# KiCad board SparkFun_Thing_Plus_ESP32-S3_panelized.kicad_pcb (continued)
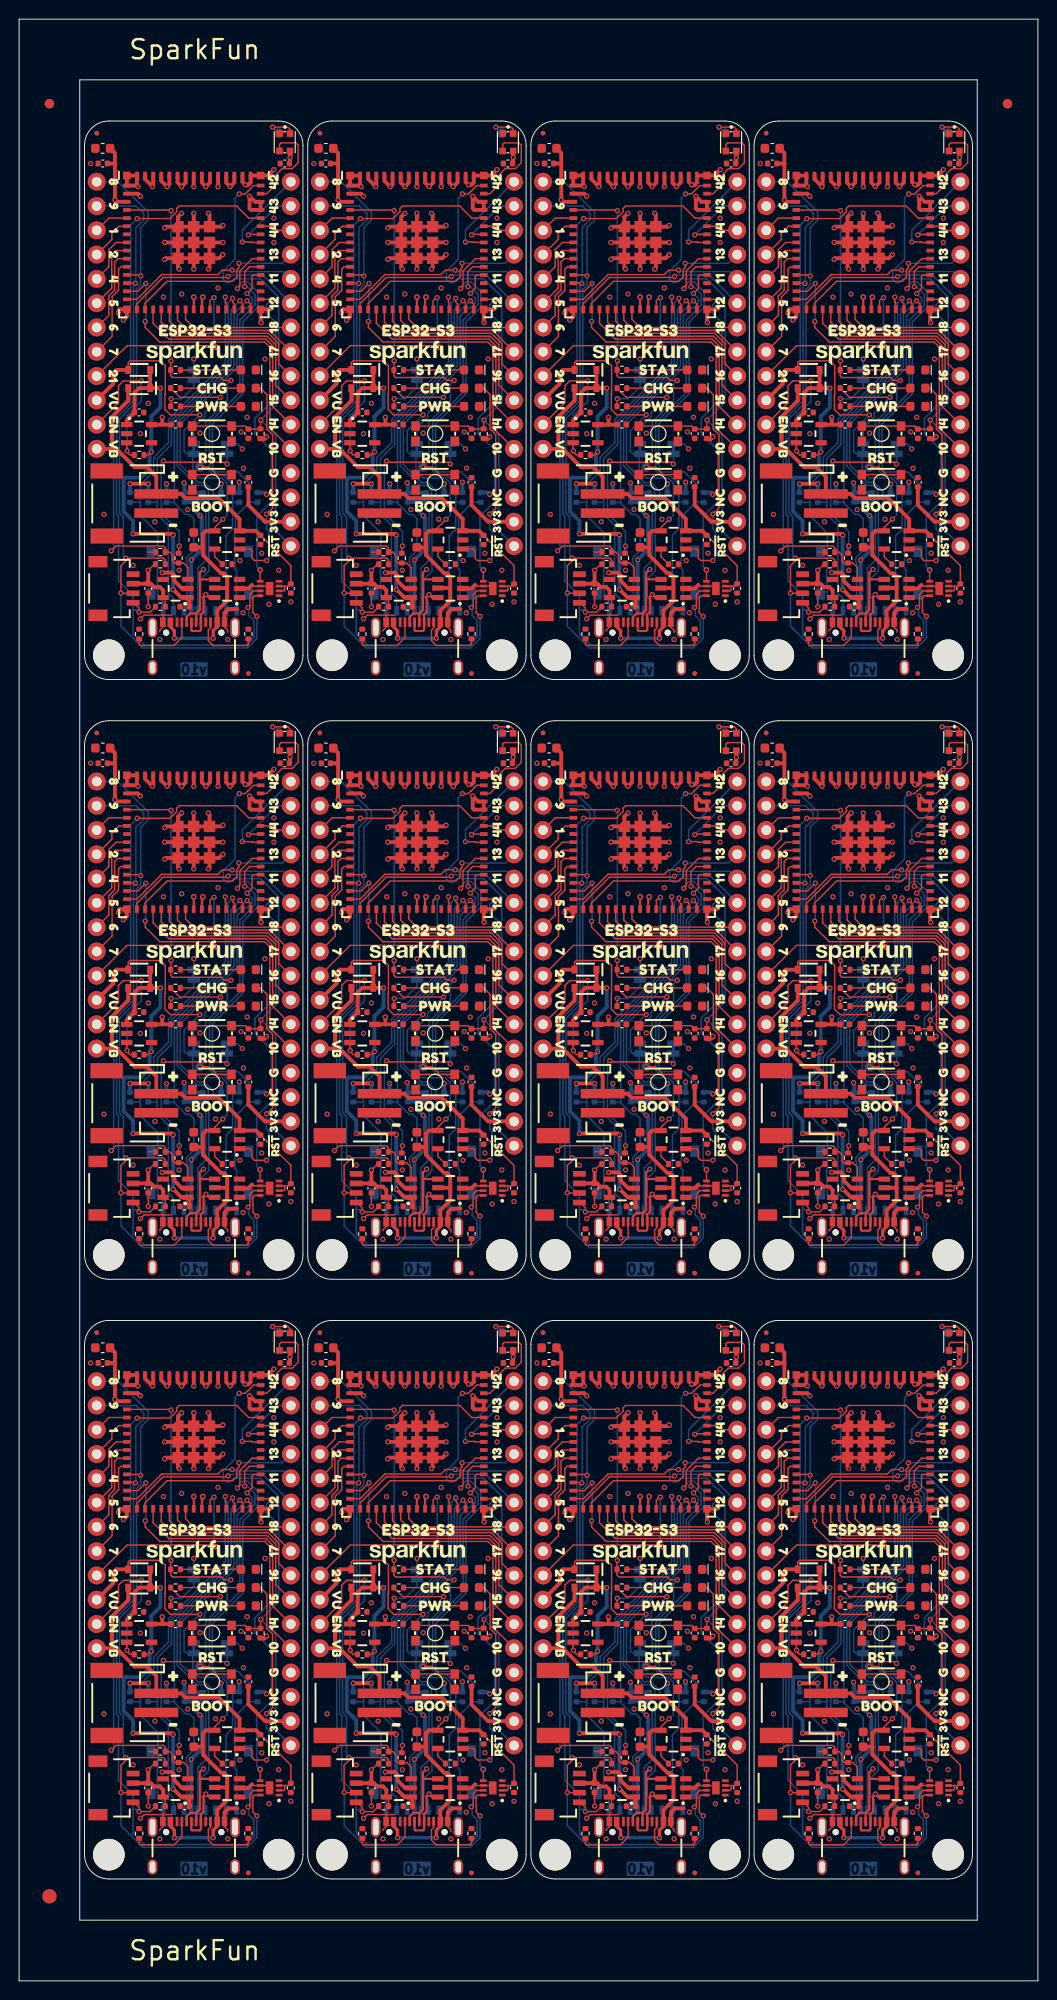
[diagram p0: board, top side]
## Routing (per net, layer and track width the routed paths; a pad name or vN(x,y) marks a point on that pad's centre or on a via; arc(x,y) is an arc through that point) (continued)
VBATT: length 462.3
  Top w0.152: 97.88,83.17 97.88,82.76 97.79,82.67 U4#2.2 ; 97.88,83.17 98.29,83.17 C2#7.1 98.52,85.3 C12#5.1 ; 97.88,83.17 U4#2.3 ; U4#12.3 27.81,20.44 ; 27.81,20.44 28.21,20.44 C2#12.1 28.44,22.57 C12#12.1 ; 27.81,20.44 27.81,20.03 27.71,19.94 U4#12.2 ; U4#6.2 74.43,145.4 74.53,145.49 74.53,145.9 ; U4#9.2 74.43,19.94 74.53,20.03 74.53,20.44 ; 74.53,83.17 74.93,83.17 C2#5.1 75.16,85.3 C12.1 ; 74.53,83.17 74.53,82.76 74.43,82.67 U4#5.2 ; 74.53,83.17 U4#5.3 ; 51.16,20.44 51.16,20.03 51.07,19.94 U4#8.2 ; 51.16,20.44 U4#8.3 ; 51.16,20.44 51.57,20.44 C2#4.1 51.8,22.57 C12#8.1 ; C12#7.1 28.44,85.3 C2#3.1 28.21,83.17 27.81,83.17 ; 27.81,83.17 27.81,82.76 27.71,82.67 U4#3.2 ; 27.81,83.17 U4#3.3 ; 51.16,145.9 51.57,145.9 C2#9.1 51.8,148.03 C12#2.1 ; 51.16,145.9 U4#10.3 ; 51.16,145.9 51.16,145.49 51.07,145.4 U4#10.2 ; 51.16,83.17 51.57,83.17 C2#2.1 51.8,85.3 C12#3.1 ; 51.16,83.17 51.16,82.76 51.07,82.67 U4#4.2 ; 51.16,83.17 U4#4.3 ; 74.53,20.44 74.93,20.44 C2#8.1 75.16,22.57 C12#9.1 ; 74.53,20.44 U4#9.3 ; U4#7.2 97.79,19.94 97.88,20.03 97.88,20.44 ; 74.53,145.9 74.93,145.9 C2#6.1 75.16,148.03 C12#4.1 ; 74.53,145.9 U4#6.3 ; 27.81,145.9 27.81,145.49 27.71,145.4 U4#11.2 ; 27.81,145.9 U4#11.3 ; 27.81,145.9 28.21,145.9 C2#10.1 28.44,148.03 C12#6.1 ; C12#11.1 98.52,148.03 C2.1 98.29,145.9 97.88,145.9 ; U4.2 97.79,145.4 97.88,145.49 97.88,145.9 ; 97.88,145.9 U4.3 ; C12#10.1 98.52,22.57 C2#11.1 98.29,20.44 97.88,20.44 ; 97.88,20.44 U4#7.3
  Top w0.406: 33.07,34.79 33.54,34.79 35.45,32.88 36.72,32.88 37.72,31.88 J3#4.2 40.32,30.07 40.76,29.64 44.25,29.64 46.43,27.46 U5#7.3 48.16,26.22 C12#8.1 ; 33.07,34.79 33.07,38.12 33.51,38.57 33.51,38.57 34.74,39.79 34.78,39.79 D3#3.A ; 33.07,34.79 U10#3.12 ; C12#6.1 24.8,151.68 23.07,151.68 23.07,152.92 20.89,155.1 17.4,155.1 16.96,155.53 J3#3.2 14.36,157.34 13.36,158.34 12.09,158.34 10.18,160.25 9.71,160.25 ; 9.71,160.25 U10#4.12 ; 9.71,160.25 9.71,163.58 10.15,164.03 10.15,164.03 11.38,165.25 11.42,165.25 D3.A ; 79.79,97.52 80.26,97.52 82.17,95.62 83.44,95.62 84.44,94.61 J3#10.2 87.04,92.81 87.48,92.37 90.97,92.37 93.15,90.19 U5#6.3 94.88,88.95 C12#5.1 ; 79.79,97.52 79.79,100.85 80.23,101.3 80.23,101.3 81.46,102.52 81.5,102.52 D3#11.A ; 79.79,97.52 U10#11.12 ; D3#8.A 58.13,39.79 58.1,39.79 56.87,38.57 56.87,38.57 56.43,38.12 56.43,34.79 ; 33.07,160.25 33.54,160.25 35.45,158.34 36.72,158.34 37.72,157.34 J3#9.2 40.32,155.53 40.76,155.1 44.25,155.1 46.43,152.92 46.43,151.68 48.16,151.68 C12#2.1 ; 33.07,160.25 33.07,163.58 33.51,164.03 33.51,164.03 34.74,165.25 34.78,165.25 D3#7.A ; 33.07,160.25 U10#6.12 ; 33.07,97.52 33.54,97.52 35.45,95.62 36.72,95.62 37.72,94.61 J3#2.2 40.32,92.81 40.76,92.37 44.25,92.37 46.43,90.19 U5#9.3 48.16,88.95 C12#3.1 ; 33.07,97.52 U10#5.12 ; 33.07,97.52 33.07,100.85 33.51,101.3 33.51,101.3 34.74,102.52 34.78,102.52 D3#10.A ; 79.79,34.79 79.79,38.12 80.23,38.57 80.23,38.57 81.46,39.79 81.5,39.79 D3#2.A ; 79.79,34.79 80.26,34.79 82.17,32.88 83.44,32.88 84.44,31.88 J3#6.2 87.04,30.07 87.48,29.64 90.97,29.64 93.15,27.46 U5#3.3 94.88,26.22 C12#10.1 ; 79.79,34.79 U10#10.12 ; C12#11.1 94.88,151.68 93.15,151.68 93.15,152.92 90.97,155.1 87.48,155.1 87.04,155.53 J3#8.2 84.44,157.34 83.44,158.34 82.17,158.34 80.26,160.25 79.79,160.25 ; U10.12 9.71,97.52 ; 9.71,97.52 9.71,100.85 10.15,101.3 10.15,101.3 11.38,102.52 11.42,102.52 D3#6.A ; 9.71,97.52 10.18,97.52 12.09,95.62 13.36,95.62 14.36,94.61 J3.2 16.96,92.81 17.4,92.37 20.89,92.37 23.07,90.19 U5#8.3 24.8,88.95 C12#7.1 ; 56.43,160.25 56.9,160.25 58.81,158.34 60.08,158.34 61.08,157.34 J3#7.2 63.68,155.53 64.12,155.1 67.61,155.1 69.79,152.92 69.79,151.68 71.51,151.68 C12#4.1 ; 56.43,160.25 56.43,163.58 56.87,164.03 56.87,164.03 58.1,165.25 58.13,165.25 D3#4.A ; 56.43,160.25 U10#2.12 ; 9.71,34.79 9.71,38.12 10.15,38.57 10.15,38.57 11.38,39.79 11.42,39.79 D3#12.A ; 9.71,34.79 U10#12.12 ; 9.71,34.79 10.18,34.79 12.09,32.88 13.36,32.88 14.36,31.88 J3#12.2 16.96,30.07 17.4,29.64 20.89,29.64 23.07,27.46 U5#12.3 24.8,26.22 C12#12.1 ; C12.1 71.51,88.95 U5#10.3 69.79,90.19 67.61,92.37 64.12,92.37 63.68,92.81 J3#11.2 61.08,94.61 60.08,95.62 58.81,95.62 56.9,97.52 56.43,97.52 ; 79.79,160.25 79.79,163.58 80.23,164.03 80.23,164.03 81.46,165.25 81.5,165.25 D3#5.A ; 79.79,160.25 U10#9.12 ; D3#9.A 58.13,102.52 58.1,102.52 56.87,101.3 56.87,101.3 56.43,100.85 56.43,97.52 ; U10#8.12 56.43,97.52 ; 56.43,34.79 56.9,34.79 58.81,32.88 60.08,32.88 61.08,31.88 J3#5.2 63.68,30.07 64.12,29.64 67.61,29.64 69.79,27.46 U5#4.3 71.51,26.22 C12#9.1 ; 56.43,34.79 U10#7.12
VIN: length 485.2
  Top w0.152: R13#11.1 60.24,96.89 v1(60.56,97.2) ; R13#10.1 60.24,159.62 v1(60.56,159.93) ; v1(60.56,34.47) 60.24,34.16 R13#2.1 ; v1(83.91,34.47) 83.6,34.16 R13#8.1 ; v1(13.83,34.47) 13.52,34.16 R13#12.1 ; v1(83.91,159.93) 83.6,159.62 R13#7.1 ; R13.1 36.88,96.89 v1(37.19,97.2) ; R13#9.1 83.6,96.89 v1(83.91,97.2) ; R13#4.1 36.88,34.16 v1(37.19,34.47) ; v1(13.83,159.93) 13.52,159.62 R13#5.1 ; R13#6.1 36.88,159.62 v1(37.19,159.93) ; R13#3.1 13.52,96.89 v1(13.83,97.2)
  Top w0.406: 37.07,166.6 35.93,166.6 35.44,166.12 C10.1 34.62,163.24 U6#10.1 ; 37.07,166.6 37.07,168.5 ; 37.07,166.6 v1(38.15,166.6) ; v1(84.87,103.87) 83.79,103.87 ; 83.79,103.87 82.65,103.87 82.16,103.39 C10#2.1 81.34,100.51 U6#9.1 ; 83.79,103.87 83.79,105.78 ; v1(11.93,151.36) 16,151.36 v1(16.12,151.23) ; 83.79,43.05 83.79,41.14 ; 83.79,41.14 82.65,41.14 82.16,40.66 C10#7.1 81.34,37.78 U6#8.1 ; 83.79,41.14 v1(84.87,41.14) ; v1(62.84,20.06) 62.88,20.06 63.7,19.24 U1#6.1 64.53,19.1 C14#8.1 ; v1(35.29,25.9) 39.36,25.9 v1(39.48,25.77) ; v1(62.84,145.52) 62.88,145.52 63.7,144.69 U1#4.1 64.53,144.56 C14#11.1 ; v1(61.51,166.6) D3#4.C ; D3#4.C D2#9.C ; D3#4.C 59.28,166.6 58.81,166.12 C10#10.1 57.98,163.24 U6#7.1 ; D3.C 12.56,166.6 12.08,166.12 C10#3.1 11.26,163.24 U6#2.1 ; D3.C D2#2.C ; D3.C v1(14.79,166.6) ; U6#5.1 57.98,37.78 C10#6.1 58.81,40.66 59.28,41.14 D3#8.C ; C14#6.1 41.17,19.1 U1#2.1 40.34,19.24 39.52,20.06 v1(39.48,20.06) ; C14#7.1 41.17,144.56 U1#7.1 40.34,144.69 39.52,145.52 v1(39.48,145.52) ; 37.07,103.87 35.93,103.87 35.44,103.39 C10#5.1 34.62,100.51 U6#4.1 ; 37.07,103.87 v1(38.15,103.87) ; 37.07,103.87 37.07,105.78 ; v1(16.12,88.5) 16,88.63 v1(11.93,88.63) ; C14#4.1 64.53,81.83 U1#9.1 63.7,81.97 62.88,82.79 v1(62.84,82.79) ; v1(11.93,25.9) 16,25.9 v1(16.12,25.77) ; U6#6.1 57.98,100.51 C10#9.1 58.81,103.39 59.28,103.87 D3#9.C ; v1(86.2,88.5) 86.08,88.63 v1(82.01,88.63) ; D3#6.C 12.56,103.87 12.08,103.39 C10#8.1 11.26,100.51 U6.1 ; D3#6.C D2#11.C ; D3#6.C v1(14.79,103.87) ; 83.79,168.5 83.79,166.6 ; 83.79,166.6 82.65,166.6 82.16,166.12 C10#11.1 81.34,163.24 U6#11.1 ; 83.79,166.6 v1(84.87,166.6) ; v1(14.79,41.14) D3#12.C ; D3#12.C D2#12.C ; D3#12.C 12.56,41.14 12.08,40.66 C10#12.1 11.26,37.78 U6#12.1 ; v1(39.48,82.79) 39.52,82.79 40.34,81.97 U1#10.1 41.17,81.83 C14#10.1 ; v1(58.65,151.36) 62.72,151.36 v1(62.84,151.23) ; v1(16.12,82.79) 16.16,82.79 16.98,81.97 U1#3.1 17.81,81.83 C14.1 ; v1(86.2,82.79) 86.24,82.79 87.06,81.97 U1#11.1 87.89,81.83 C14#9.1 ; v1(39.48,151.23) 39.36,151.36 v1(35.29,151.36) ; v1(58.65,25.9) 62.72,25.9 v1(62.84,25.77) ; C14#12.1 17.81,19.1 U1#12.1 16.98,19.24 16.16,20.06 v1(16.12,20.06) ; v1(35.29,88.63) 39.36,88.63 v1(39.48,88.5) ; U6#3.1 34.62,37.78 C10#4.1 35.44,40.66 35.93,41.14 37.07,41.14 ; v1(86.2,25.77) 86.08,25.9 v1(82.01,25.9) ; 37.07,43.05 37.07,41.14 ; 37.07,41.14 v1(38.15,41.14) ; v1(86.2,20.06) 86.24,20.06 87.06,19.24 U1#8.1 87.89,19.1 C14#3.1 ; C14#2.1 17.81,144.56 U1.1 16.98,144.69 16.16,145.52 v1(16.12,145.52) ; v1(61.51,41.14) D3#8.C ; D3#8.C D2#3.C ; v1(86.2,145.52) 86.24,145.52 87.06,144.69 U1#5.1 87.89,144.56 C14#5.1 ; D3#9.C D2.C ; D3#9.C v1(61.51,103.87) ; v1(58.65,88.63) 62.72,88.63 v1(62.84,88.5) ; v1(82.01,151.36) 86.08,151.36 v1(86.2,151.23)
  Bottom w0.406: v1(62.84,151.23) v1(62.84,145.52) ; v1(14.79,41.14) 14.79,39.13 13.83,38.18 v1(13.83,34.47) 13.66,34.29 13.66,32.71 12.72,31.77 11.1,31.77 10.94,31.62 10.94,28.24 11.93,27.25 v1(11.93,25.9) ; v1(61.51,166.6) 61.51,164.59 60.56,163.64 v1(60.56,159.93) 60.38,159.75 60.38,158.17 59.44,157.23 57.82,157.23 57.66,157.07 57.66,153.7 58.65,152.71 v1(58.65,151.36) ; v1(61.51,41.14) 61.51,39.13 60.56,38.18 v1(60.56,34.47) 60.38,34.29 60.38,32.71 59.44,31.77 57.82,31.77 57.66,31.62 57.66,28.24 58.65,27.25 v1(58.65,25.9) ; v1(38.15,41.14) 38.15,39.13 37.19,38.18 v1(37.19,34.47) 37.02,34.29 37.02,32.71 36.08,31.77 34.46,31.77 34.3,31.62 34.3,28.24 35.29,27.25 v1(35.29,25.9) ; v1(35.29,88.63) 35.29,89.98 34.3,90.97 34.3,94.34 34.46,94.5 36.08,94.5 37.02,95.44 37.02,97.02 v1(37.19,97.2) 37.19,100.91 38.15,101.86 v1(38.15,103.87) ; v1(39.48,151.23) v1(39.48,145.52) ; v1(84.87,103.87) 84.87,101.86 83.91,100.91 v1(83.91,97.2) 83.74,97.02 83.74,95.44 82.8,94.5 81.18,94.5 81.02,94.34 81.02,90.97 82.01,89.98 v1(82.01,88.63) ; v1(62.84,25.77) v1(62.84,20.06) ; v1(84.87,41.14) 84.87,39.13 83.91,38.18 v1(83.91,34.47) 83.74,34.29 83.74,32.71 82.8,31.77 81.18,31.77 81.02,31.62 81.02,28.24 82.01,27.25 v1(82.01,25.9) ; v1(58.65,88.63) 58.65,89.98 57.66,90.97 57.66,94.34 57.82,94.5 59.44,94.5 60.38,95.44 60.38,97.02 v1(60.56,97.2) 60.56,100.91 61.51,101.86 v1(61.51,103.87) ; v1(16.12,151.23) v1(16.12,145.52) ; v1(14.79,103.87) 14.79,101.86 13.83,100.91 v1(13.83,97.2) 13.66,97.02 13.66,95.44 12.72,94.5 11.1,94.5 10.94,94.34 10.94,90.97 11.93,89.98 v1(11.93,88.63) ; v1(39.48,25.77) v1(39.48,20.06) ; v1(14.79,166.6) 14.79,164.59 13.83,163.64 v1(13.83,159.93) 13.66,159.75 13.66,158.17 12.72,157.23 11.1,157.23 10.94,157.07 10.94,153.7 11.93,152.71 v1(11.93,151.36) ; v1(86.2,88.5) v1(86.2,82.79) ; v1(86.2,151.23) v1(86.2,145.52) ; v1(35.29,151.36) 35.29,152.71 34.3,153.7 34.3,157.07 34.46,157.23 36.08,157.23 37.02,158.17 37.02,159.75 v1(37.19,159.93) 37.19,163.64 38.15,164.59 v1(38.15,166.6) ; v1(16.12,88.5) v1(16.12,82.79) ; v1(62.84,88.5) v1(62.84,82.79) ; v1(84.87,166.6) 84.87,164.59 83.91,163.64 v1(83.91,159.93) 83.74,159.75 83.74,158.17 82.8,157.23 81.18,157.23 81.02,157.07 81.02,153.7 82.01,152.71 v1(82.01,151.36) ; v1(16.12,25.77) v1(16.12,20.06) ; v1(86.2,25.77) v1(86.2,20.06) ; v1(39.48,88.5) v1(39.48,82.79)
EN: length 210
  Top w0.152: 34.62,159.96 34.97,159.62 35.41,159.62 ; 34.62,159.96 U6#10.3 ; 34.62,159.96 34.62,160.01 v1(34.66,160.04) ; v1(58.02,97.31) 57.98,97.28 57.98,97.23 ; 11.26,34.5 U6#12.3 ; 11.26,34.5 11.26,34.55 v1(11.3,34.58) ; 11.26,34.5 11.61,34.16 R13#12.2 ; U10#11.11 80.49,102.35 80.49,104.12 80.99,104.63 v1(82.87,104.63) ; v1(36.15,41.9) 34.27,41.9 33.77,41.39 33.77,39.62 U10#3.11 ; 81.34,34.5 U6#8.3 ; 81.34,34.5 81.34,34.55 v1(81.38,34.58) ; 81.34,34.5 81.69,34.16 82.13,34.16 ; v1(36.15,104.63) 34.27,104.63 33.77,104.12 33.77,102.35 U10#5.11 ; 81.34,97.23 81.69,96.89 82.13,96.89 ; 81.34,97.23 U6#9.3 ; 81.34,97.23 81.34,97.28 v1(81.38,97.31) ; v1(12.79,41.9) 10.91,41.9 10.41,41.39 10.41,39.62 U10#12.11 ; 57.98,97.23 58.33,96.89 R13#11.2 ; 57.98,97.23 U6#6.3 ; U10.11 10.41,102.35 10.41,104.12 10.91,104.63 v1(12.79,104.63) ; 81.34,159.96 U6#11.3 ; 81.34,159.96 81.34,160.01 v1(81.38,160.04) ; 81.34,159.96 81.69,159.62 82.13,159.62 ; 34.62,34.5 34.97,34.16 35.41,34.16 ; 34.62,34.5 34.62,34.55 v1(34.66,34.58) ; 34.62,34.5 U6#3.3 ; 11.26,159.96 11.26,160.01 v1(11.3,160.04) ; 11.26,159.96 11.61,159.62 R13#5.2 ; 11.26,159.96 U6#2.3 ; v1(59.51,104.63) 57.63,104.63 57.13,104.12 57.13,102.35 U10#8.11 ; v1(82.87,41.9) 80.99,41.9 80.49,41.39 80.49,39.62 U10#10.11 ; 57.98,159.96 57.98,160.01 v1(58.02,160.04) ; 57.98,159.96 58.33,159.62 R13#10.2 ; 57.98,159.96 U6#7.3 ; 57.98,34.5 U6#5.3 ; 57.98,34.5 57.98,34.55 v1(58.02,34.58) ; 57.98,34.5 58.33,34.16 R13#2.2 ; v1(11.3,97.31) 11.26,97.28 11.26,97.23 ; U10#6.11 33.77,165.08 33.77,166.85 34.27,167.36 v1(36.15,167.36) ; U10#4.11 10.41,165.08 10.41,166.85 10.91,167.36 v1(12.79,167.36) ; v1(82.87,167.36) 80.99,167.36 80.49,166.85 80.49,165.08 U10#9.11 ; 34.62,97.23 34.97,96.89 35.41,96.89 ; 34.62,97.23 34.62,97.28 v1(34.66,97.31) ; 34.62,97.23 U6#4.3 ; 11.26,97.23 U6.3 ; 11.26,97.23 11.61,96.89 R13#3.2 ; U10#2.11 57.13,165.08 57.13,166.85 57.63,167.36 v1(59.51,167.36) ; U10#7.11 57.13,39.62 57.13,41.39 57.63,41.9 v1(59.51,41.9)
  Bottom w0.152: v1(36.15,41.9) 36.15,39.78 34.66,38.28 34.66,38.28 v1(34.66,34.58) ; v1(81.38,160.04) 81.38,163.74 81.38,163.74 82.87,165.24 v1(82.87,167.36) ; v1(82.87,41.9) 82.87,39.78 81.38,38.28 81.38,38.28 v1(81.38,34.58) ; v1(59.51,41.9) 59.51,39.78 58.01,38.28 58.02,38.28 v1(58.02,34.58) ; v1(11.3,34.58) 11.3,38.28 11.3,38.28 12.79,39.78 v1(12.79,41.9) ; v1(11.3,160.04) 11.3,163.74 11.3,163.74 12.79,165.24 v1(12.79,167.36) ; v1(12.79,104.63) 12.79,102.51 11.3,101.01 11.3,101.01 v1(11.3,97.31) ; v1(58.02,97.31) 58.02,101.01 58.01,101.01 59.51,102.51 v1(59.51,104.63) ; v1(81.38,97.31) 81.38,101.01 81.38,101.01 82.87,102.51 v1(82.87,104.63) ; v1(36.15,104.63) 36.15,102.51 34.66,101.01 34.66,101.01 v1(34.66,97.31) ; v1(34.66,160.04) 34.66,163.74 34.66,163.74 36.15,165.24 v1(36.15,167.36) ; v1(59.51,167.36) 59.51,165.24 58.01,163.74 58.02,163.74 v1(58.02,160.04)
ESP0/STAT: length 540.2
  Top w0.152: v1(92.25,167.41) 91.52,167.41 91.22,167.71 86.14,167.71 85.94,167.9 R7#11.1 85.94,169.42 v1(85.98,169.46) ; SW1#8.1 90.74,94.83 ; 90.74,94.83 SW1#8.1 ; 90.74,94.83 89.95,95.62 v1(89,95.62) ; v1(22.17,167.41) 21.44,167.41 21.14,167.71 16.06,167.71 15.86,167.9 R7.1 15.86,169.42 v1(15.9,169.46) ; v1(15.9,122.44) 15.83,122.51 U3#5.4 ; v1(85.98,185.17) 85.91,185.24 U3#9.4 ; v1(42.28,158.34) 43.23,158.34 44.02,157.56 ; U3#6.4 85.91,122.51 v1(85.98,122.44) ; SW1#7.1 20.66,157.56 ; 20.66,157.56 SW1#7.1 ; 20.66,157.56 19.87,158.34 v1(18.92,158.34) ; SW1#12.1 20.66,32.1 ; 20.66,32.1 SW1#12.1 ; 20.66,32.1 19.87,32.88 v1(18.92,32.88) ; 44.02,157.56 SW1.1 ; 44.02,157.56 SW1.1 ; U3#10.4 39.19,59.78 v1(39.26,59.71) ; 90.74,157.56 89.95,158.34 v1(89,158.34) ; 90.74,157.56 SW1#6.1 ; 90.74,157.56 SW1#6.1 ; v1(85.98,44) 85.94,43.96 R7#3.1 85.94,42.44 86.14,42.25 91.22,42.25 91.52,41.95 v1(92.25,41.95) ; v1(62.62,122.44) 62.55,122.51 U3#7.4 ; v1(65.63,32.88) 66.59,32.88 67.38,32.1 ; v1(39.26,44) 39.22,43.96 R7#4.1 39.22,42.44 39.42,42.25 44.5,42.25 44.8,41.95 v1(45.53,41.95) ; v1(22.17,41.95) 21.44,41.95 21.14,42.25 16.06,42.25 15.86,42.44 R7#12.1 15.86,43.96 v1(15.9,44) ; U3#11.4 39.19,122.51 v1(39.26,122.44) ; 67.38,157.56 SW1#2.1 ; 67.38,157.56 66.59,158.34 v1(65.63,158.34) ; 67.38,157.56 SW1#2.1 ; v1(62.62,106.73) 62.59,106.69 R7#9.1 62.59,105.17 62.78,104.98 67.86,104.98 68.16,104.68 v1(68.89,104.68) ; v1(39.26,169.46) 39.22,169.42 R7#2.1 39.22,167.9 39.42,167.71 44.5,167.71 44.8,167.41 v1(45.53,167.41) ; SW1#5.1 67.38,94.83 ; 67.38,94.83 66.59,95.62 v1(65.63,95.62) ; 67.38,94.83 SW1#5.1 ; v1(62.62,185.17) 62.55,185.24 U3#8.4 ; v1(15.9,59.71) 15.83,59.78 U3#12.4 ; 90.74,32.1 89.95,32.88 v1(89,32.88) ; 90.74,32.1 SW1#11.1 ; 90.74,32.1 SW1#11.1 ; 44.02,32.1 43.23,32.88 v1(42.28,32.88) ; 44.02,32.1 SW1#4.1 ; 44.02,32.1 SW1#4.1 ; SW1#3.1 67.38,32.1 ; 67.38,32.1 SW1#3.1 ; v1(39.26,185.17) 39.19,185.24 U3#4.4 ; v1(92.25,104.68) 91.52,104.68 91.22,104.98 86.14,104.98 85.94,105.17 R7#6.1 85.94,106.69 v1(85.98,106.73) ; SW1#9.1 20.66,94.83 ; 20.66,94.83 SW1#9.1 ; 20.66,94.83 19.87,95.62 v1(18.92,95.62) ; v1(85.98,59.71) 85.91,59.78 U3.4 ; v1(22.17,104.68) 21.44,104.68 21.14,104.98 16.06,104.98 15.86,105.17 R7#5.1 15.86,106.69 v1(15.9,106.73) ; v1(68.89,167.41) 68.16,167.41 67.86,167.71 62.78,167.71 62.59,167.9 R7#7.1 62.59,169.42 v1(62.62,169.46) ; 44.02,94.83 43.23,95.62 v1(42.28,95.62) ; 44.02,94.83 SW1#10.1 ; 44.02,94.83 SW1#10.1 ; v1(62.62,44) 62.59,43.96 R7#8.1 62.59,42.44 62.78,42.25 67.86,42.25 68.16,41.95 v1(68.89,41.95) ; v1(45.53,104.68) 44.8,104.68 44.5,104.98 39.42,104.98 39.22,105.17 R7#10.1 39.22,106.69 v1(39.26,106.73) ; v1(15.9,185.17) 15.83,185.24 U3#2.4 ; U3#3.4 62.55,59.78 v1(62.62,59.71)
  Bottom w0.152: v1(85.98,44) v1(85.98,59.71) ; v1(18.92,32.88) 19.55,33.52 19.55,37.58 21.79,39.82 21.79,41.57 v1(22.17,41.95) ; v1(45.53,167.41) 45.15,167.03 45.15,165.28 42.91,163.04 42.91,158.98 v1(42.28,158.34) ; v1(15.9,106.73) v1(15.9,122.44) ; v1(22.17,167.41) 21.79,167.03 21.79,165.28 19.55,163.04 19.55,158.98 v1(18.92,158.34) ; v1(22.17,104.68) 21.79,104.3 21.79,102.55 19.55,100.31 19.55,96.25 v1(18.92,95.62) ; v1(89,32.88) 89.63,33.52 89.63,37.58 91.87,39.82 91.87,41.57 v1(92.25,41.95) ; v1(15.9,169.46) v1(15.9,185.17) ; v1(39.26,169.46) v1(39.26,185.17) ; v1(45.53,104.68) 45.15,104.3 45.15,102.55 42.91,100.31 42.91,96.25 v1(42.28,95.62) ; v1(89,95.62) 89.63,96.25 89.63,100.31 91.87,102.55 91.87,104.3 v1(92.25,104.68) ; v1(68.89,167.41) 68.51,167.03 68.51,165.28 66.27,163.04 66.27,158.98 v1(65.63,158.34) ; v1(85.98,169.46) v1(85.98,185.17) ; v1(15.9,44) v1(15.9,59.71) ; v1(85.98,106.73) v1(85.98,122.44) ; v1(65.63,95.62) 66.27,96.25 66.27,100.31 68.51,102.55 68.51,104.3 v1(68.89,104.68) ; v1(68.89,41.95) 68.51,41.57 68.51,39.82 66.27,37.58 66.27,33.52 v1(65.63,32.88) ; v1(89,158.34) 89.63,158.98 89.63,163.04 91.87,165.28 91.87,167.03 v1(92.25,167.41) ; v1(62.62,44) v1(62.62,59.71) ; v1(39.26,106.73) v1(39.26,122.44) ; v1(62.62,169.46) v1(62.62,185.17) ; v1(39.26,44) v1(39.26,59.71) ; v1(62.62,106.73) v1(62.62,122.44) ; v1(42.28,32.88) 42.91,33.52 42.91,37.58 45.15,39.82 45.15,41.57 v1(45.53,41.95)
ESP1: length 44.3
  Top w0.152: U3.5 79.48,58.93 U10#10.3 ; U10#11.3 79.48,121.66 U3#6.5 ; U3#12.5 9.4,58.93 U10#12.3 ; U10#6.3 32.76,184.39 U3#4.5 ; U3#3.5 56.12,58.93 U10#7.3 ; U10#4.3 9.4,184.39 U3#2.5 ; U10.3 9.4,121.66 U3#5.5 ; U3#9.5 79.48,184.39 U10#9.3 ; U3#11.5 32.76,121.66 U10#5.3 ; U10#8.3 56.12,121.66 U3#7.5 ; U10#3.3 32.76,58.93 U3#10.5 ; U10#2.3 56.12,184.39 U3#8.5
ESP2: length 57.1
  Top w0.152: U10#8.4 56.43,119.43 56.43,120.06 57.18,120.81 U3#7.6 ; U10#11.4 79.79,119.43 79.79,120.06 80.53,120.81 U3#6.6 ; U10#2.4 56.43,182.16 56.43,182.79 57.18,183.54 U3#8.6 ; U3#2.6 10.45,183.54 9.71,182.79 9.71,182.16 U10#4.4 ; U10#9.4 79.79,182.16 79.79,182.79 80.53,183.54 U3#9.6 ; U3#10.6 33.81,58.08 33.07,57.33 33.07,56.7 U10#3.4 ; U10#12.4 9.71,56.7 9.71,57.33 10.45,58.08 U3#12.6 ; U3#3.6 57.18,58.08 56.43,57.33 56.43,56.7 U10#7.4 ; U10#5.4 33.07,119.43 33.07,120.06 33.81,120.81 U3#11.6 ; U3#4.6 33.81,183.54 33.07,182.79 33.07,182.16 U10#6.4 ; U10#10.4 79.79,56.7 79.79,57.33 80.53,58.08 U3.6 ; U3#5.6 10.45,120.81 9.71,120.06 9.71,119.43 U10.4
ESP4: length 69.4
  Top w0.152: U3#4.8 33.51,181.84 32.75,181.08 32.75,179.3 U10#6.5 ; U3#3.8 56.87,56.38 56.11,55.62 56.11,53.84 U10#7.5 ; U10#9.5 79.47,179.3 79.47,181.08 80.23,181.84 U3#9.8 ; U10#10.5 79.47,53.84 79.47,55.62 80.23,56.38 U3.8 ; U10#4.5 9.39,179.3 9.39,181.08 10.15,181.84 U3#2.8 ; U10#2.5 56.11,179.3 56.11,181.08 56.87,181.84 U3#8.8 ; U10#3.5 32.75,53.84 32.75,55.62 33.51,56.38 U3#10.8 ; U3#5.8 10.15,119.11 9.39,118.35 9.39,116.57 U10.5 ; U3#11.8 33.51,119.11 32.75,118.35 32.75,116.57 U10#5.5 ; U10#12.5 9.39,53.84 9.39,55.62 10.15,56.38 U3#12.8 ; U10#8.5 56.11,116.57 56.11,118.35 56.87,119.11 U3#7.8 ; U10#11.5 79.47,116.57 79.47,118.35 80.23,119.11 U3#6.8
ESP5: length 89.9
  Top w0.152: U3#7.9 56.83,118.26 56.41,117.84 56.41,114.33 U10#8.6 ; U3#4.9 33.47,180.99 33.05,180.57 33.05,177.06 U10#6.6 ; U3#11.9 33.47,118.26 33.05,117.84 33.05,114.33 U10#5.6 ; U3#5.9 10.11,118.26 9.69,117.84 9.69,114.33 U10.6 ; U3#6.9 80.19,118.26 79.77,117.84 79.77,114.33 U10#11.6 ; U10#9.6 79.77,177.06 79.77,180.57 80.19,180.99 U3#9.9 ; U10#7.6 56.41,51.6 56.41,55.11 56.83,55.53 U3#3.9 ; U3#8.9 56.83,180.99 56.41,180.57 56.41,177.06 U10#2.6 ; U3#10.9 33.47,55.53 33.05,55.11 33.05,51.6 U10#3.6 ; U10#12.6 9.69,51.6 9.69,55.11 10.11,55.53 U3#12.9 ; U10#10.6 79.77,51.6 79.77,55.11 80.19,55.53 U3.9 ; U3#2.9 10.11,180.99 9.69,180.57 9.69,177.06 U10#4.6
ESP6: length 108.7
  Top w0.152: U10#2.7 56.11,174.22 56.11,176.25 56.72,176.86 56.72,179.81 57.05,180.14 U3#8.10 ; U10.7 9.39,111.49 9.39,113.52 10,114.13 10,117.08 10.33,117.41 U3#5.10 ; U10#6.7 32.75,174.22 32.75,176.25 33.36,176.86 33.36,179.81 33.69,180.14 U3#4.10 ; U3#6.10 80.41,117.41 80.08,117.08 80.08,114.13 79.47,113.52 79.47,111.49 U10#11.7 ; U3.10 80.41,54.68 80.08,54.35 80.08,51.4 79.47,50.79 79.47,48.76 U10#10.7 ; U3#12.10 10.33,54.68 10,54.35 10,51.4 9.39,50.79 9.39,48.76 U10#12.7 ; U3#10.10 33.69,54.68 33.36,54.35 33.36,51.4 32.75,50.79 32.75,48.76 U10#3.7 ; U3#2.10 10.33,180.14 10,179.81 10,176.86 9.39,176.25 9.39,174.22 U10#4.7 ; U10#5.7 32.75,111.49 32.75,113.52 33.36,114.13 33.36,117.08 33.69,117.41 U3#11.10 ; U10#9.7 79.47,174.22 79.47,176.25 80.08,176.86 80.08,179.81 80.41,180.14 U3#9.10 ; U3#7.10 57.05,117.41 56.72,117.08 56.72,114.13 56.11,113.52 56.11,111.49 U10#8.7 ; U10#7.7 56.11,48.76 56.11,50.79 56.72,51.4 56.72,54.35 57.05,54.68 U3#3.10
ESP7: length 126.7
  Top w0.152: U10#4.8 9.73,172.02 9.73,176.16 10.41,176.84 10.41,179.05 10.65,179.29 U3#2.11 ; U10#12.8 9.73,46.56 9.73,50.7 10.41,51.38 10.41,53.59 10.65,53.83 U3#12.11 ; U3#6.11 80.73,116.56 80.49,116.32 80.49,114.11 79.81,113.43 79.81,109.29 U10#11.8 ; U10#2.8 56.45,172.02 56.45,176.16 57.13,176.84 57.13,179.05 57.37,179.29 U3#8.11 ; U10#3.8 33.09,46.56 33.09,50.7 33.77,51.38 33.77,53.59 34.01,53.83 U3#10.11 ; U3#3.11 57.37,53.83 57.13,53.59 57.13,51.38 56.45,50.7 56.45,46.56 U10#7.8 ; U10#6.8 33.09,172.02 33.09,176.16 33.77,176.84 33.77,179.05 34.01,179.29 U3#4.11 ; U10.8 9.73,109.29 9.73,113.43 10.41,114.11 10.41,116.32 10.65,116.56 U3#5.11 ; U10#8.8 56.45,109.29 56.45,113.43 57.13,114.11 57.13,116.32 57.37,116.56 U3#7.11 ; U3#11.11 34.01,116.56 33.77,116.32 33.77,114.11 33.09,113.43 33.09,109.29 U10#5.8 ; U3#9.11 80.73,179.29 80.49,179.05 80.49,176.84 79.81,176.16 79.81,172.02 U10#9.8 ; U3.11 80.73,53.83 80.49,53.59 80.49,51.38 79.81,50.7 79.81,46.56 U10#10.8
